# Altium PCB Terra.PcbDoc (part 3 of 7) (continued)
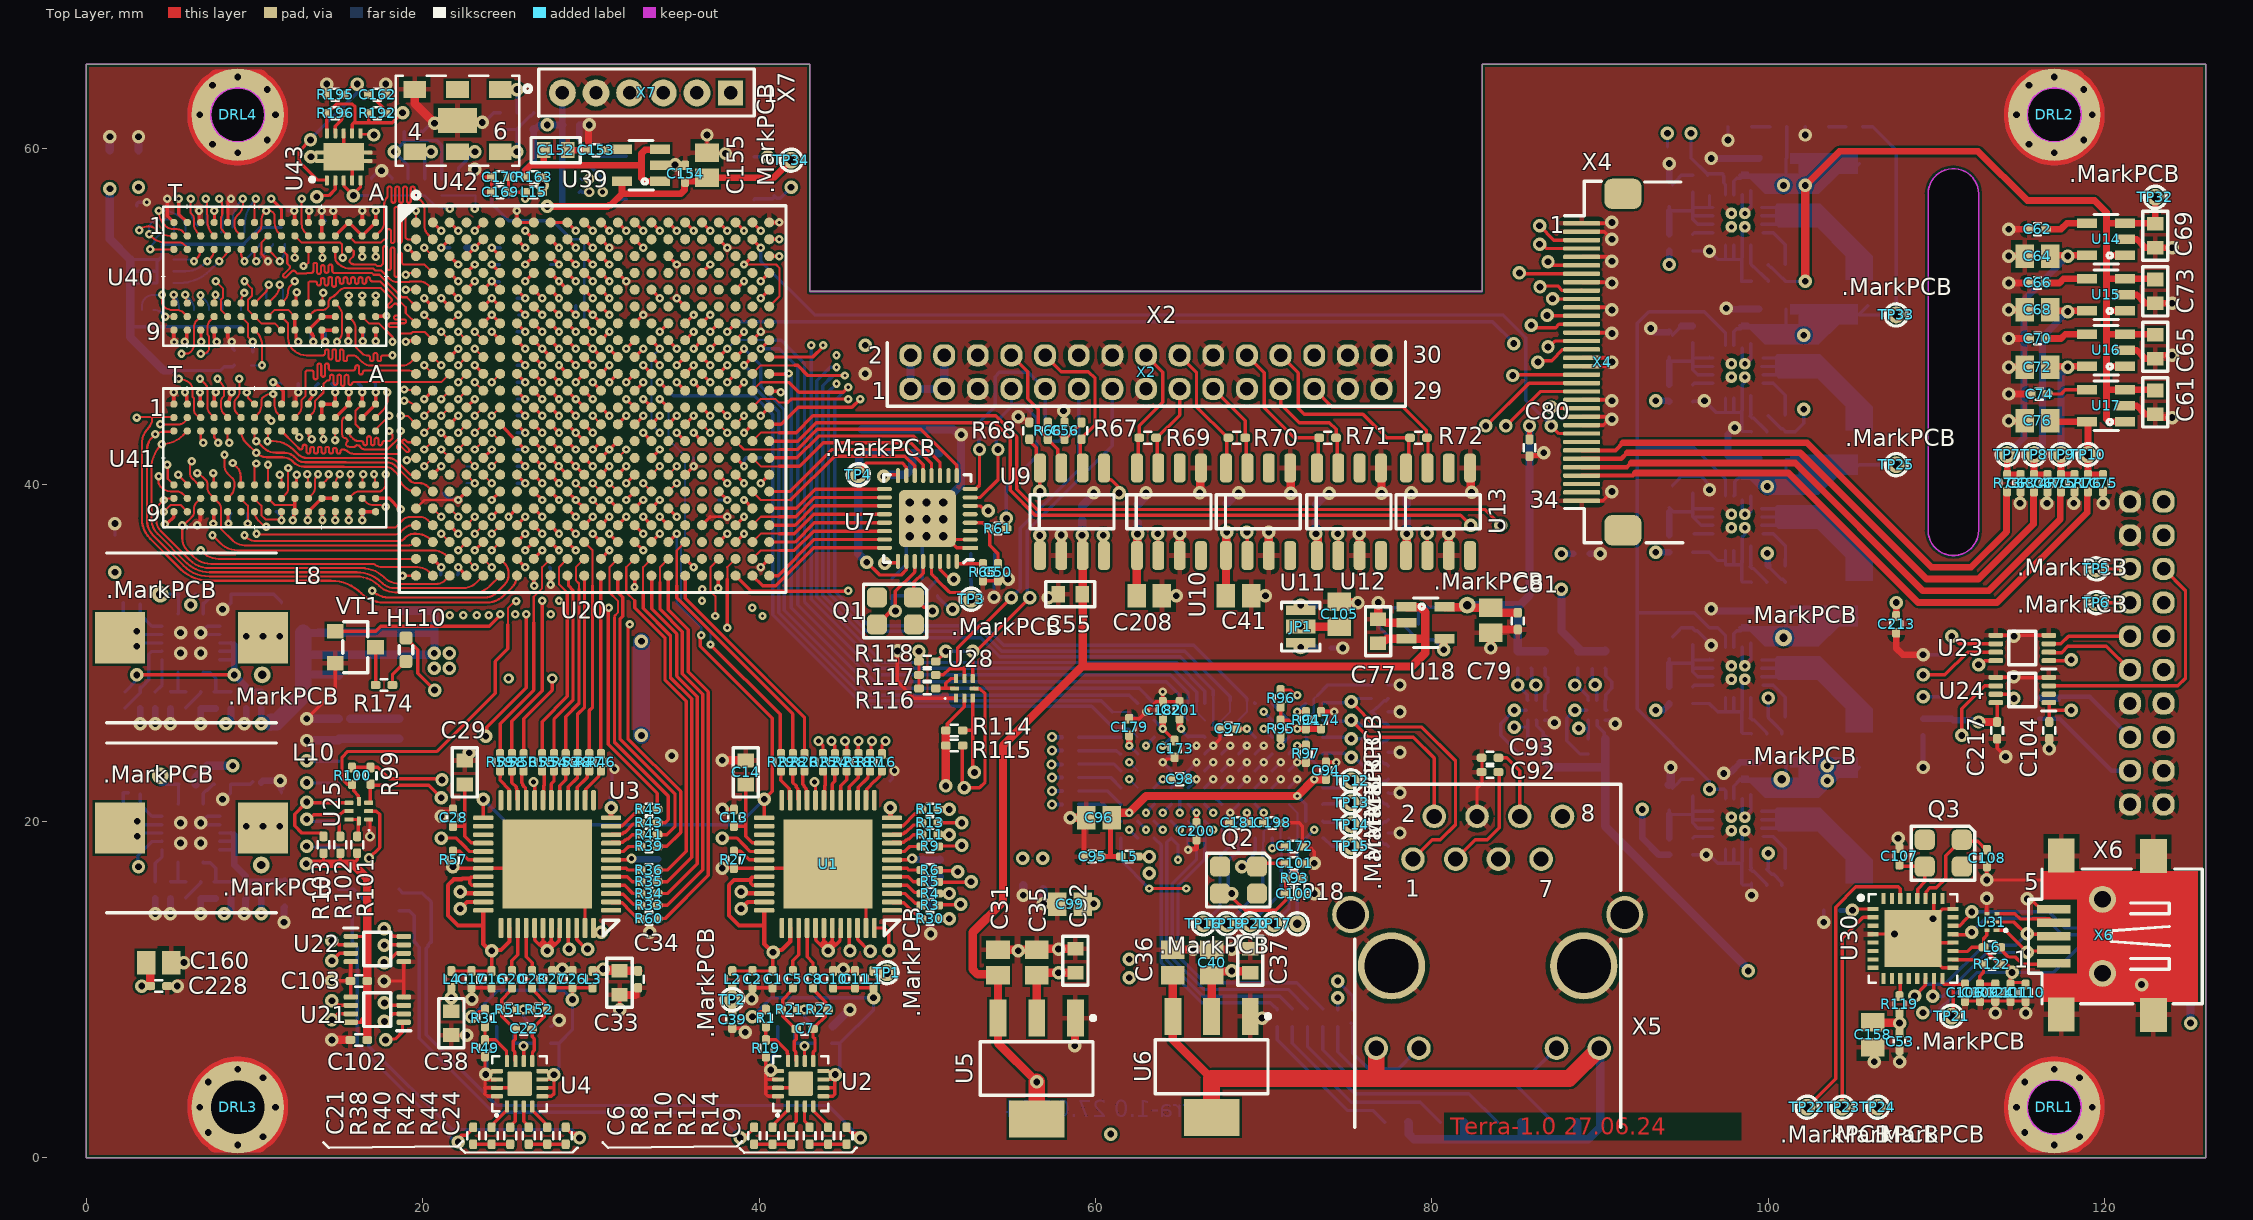
[diagram p0: Top Layer view]
## Nets (pads, with @x,y where several pads share a name; then routed paths per layer and width w, separated by ;. In a path a pad name is that pad's centre, name@x,y a point inside that pad or via, vN(x,y) a via of type N, cw(c..) or ccw(c..) an arc to the next point about the centre after c; other vN are vias at no path point) (continued)
ADC1_CLK_P: U3.34 U20.V10 | length 28.1
  Top Layer w0.2: U20.V10@28.6,38.6 v3(29.1,38.1)
  Top Layer w0.254: v2(22.225,15.8) 22.312,15.713 23.587,15.713 U3.34@23.6,15.7
  Int4(Sign) w0.125: v2(22.225,15.8) 22.713,15.8 ccw(c22.713,15.925) 22.801,15.837 28.356,21.392 ccw(c26.56,23.188) 29.1,23.188 29.1,35.546 ccw(c28.975,35.546) 29.003,35.668 cw(c29.1,36.1) 28.799,36.424 cw(c29.1,36.1) 28.891,36.49 ccw(c28.832,36.6) 28.891,36.71 cw(c29.1,37.1) 28.773,36.802 cw(c29.1,37.1) 29.003,37.532 ccw(c28.975,37.654) 29.1,37.654 v3(29.1,38.1)
ADC1_CSn: U3.48 U20.Y12 | length 25.5
  Top Layer w0.2: v1(30.1,37.1) U20.Y12@30.6,36.6 ; U3.48@30.15,13.65 30.15,13.367 30.19,13.327 30.527,13.327 v2(30.6,13.4)
  Int1 (Sign) w0.2: v1(30.1,37.1) 30.1,13.9 v2(30.6,13.4)
  Bottom Layer w0.2: v2(30.6,13.4) 30.65,13.4 v2@30.675,13.425
ADC1_D0: R33.2 U20.AA16 | length 23.3
  Top Layer w0.125: 34.107,34.2 34.107,35.107 U20.AA16@34.6,35.6
  Top Layer w0.2: R33.2@33.95,15 34.54,15 36.65,17.11 36.65,27.55 35.43,28.77 35.43,31.27 34.107,32.593 34.107,34.2
ADC1_D1: R34.2 U20.AB15 | length 21.4
  Top Layer w0.2: U20.AB15@33.6,34.6 33.613,34.587 33.613,32.62 35.1,31.133 35.1,28.633 36.32,27.413 36.32,17.48 34.54,15.7 R34.2@33.95,15.7
ADC1_D2: R35.2 U20.AA15 | length 21.8
  Top Layer w0.125: 33.1,33.5 33.1,35.1 U20.AA15@33.6,35.6
  Top Layer w0.2: 33.1,33.5 33.1,32.667 34.73,31.037 34.73,28.537 35.99,27.277 35.99,17.85 34.54,16.4 R35.2@33.95,16.4
ADC1_D3: R36.2 U20.AA14 | length 21.2
  Top Layer w0.125: 32.6,33.1 32.1,33.6 32.1,35.1 U20.AA14@32.6,35.6
  Top Layer w0.2: 32.6,33.1 32.6,32.7 34.4,30.9 34.4,28.4 35.66,27.14 35.66,18.22 34.54,17.1 R36.2@33.95,17.1
ADC1_D4: R39.2 U20.V13 | length 24.6
  Top Layer w0.2: v1(31.1,39.1) U20.V13@31.6,38.6 ; v1(32.305,31.7) 32.2,31.524 32.2,24.9 35.33,21.77 35.33,19.33 34.517,18.517 33.967,18.517 R39.2@33.95,18.5
  Int1 (Sign) w0.125: v1(31.1,39.1) 30.883,38.883 ccw(c31.566,38.2) 30.881,38.881 ccw(c31.566,38.2) 30.6,38.2 30.6,38.075 ccw(c31.143,38.075) 30.759,37.691 30.789,37.661 ccw(c31.075,37.947) 31.075,37.543 31.175,37.543 cw(c31.175,36.921) 31.615,37.36 cw(c30.684,36.43) 32,36.43 32,31.961 32.173,31.787 v1(32.305,31.7)
ADC1_D5: R41.2 U20.AB13 | length 17.7
  Top Layer w0.2: U20.AB13@31.6,34.6 31.6,33.6 31.892,33.308 31.892,32.192 31.73,32.03 31.73,24.87 35,21.6 35,19.7 34.5,19.2 R41.2@33.95,19.2
ADC1_D6: R43.2 U20.AA13 | length 18.1
  Top Layer w0.125: 31.4,32.114 31.4,32.2 31.6,32.4 31.6,33.1 31.1,33.6 31.1,35.1 U20.AA13@31.6,35.6
  Top Layer w0.2: 31.4,32.114 31.4,24.7 34.6,21.5 34.6,20.1 34.417,19.917 33.967,19.917 R43.2@33.95,19.9
ADC1_D7: R45.2 U20.Y13 | length 18.7
  Top Layer w0.2: v1(31.057,32.7) 31.02,32.662 31.02,24.58 33.95,21.65 R45.2@33.95,20.7 ; v1(31.1,37.1) U20.Y13@31.6,36.6
  Int1 (Sign) w0.125: 30.824,36.824 ccw(c31.61,36.04) 30.5,36.04 30.5,34.046 ccw(c32.403,34.046) 30.841,32.959 ccw(c32.403,34.046) v1(31.057,32.7) ; 30.825,36.825 v1(31.1,37.1)
ADC1_D8: R46.2 U20.AB12 | length 10.6
  Top Layer w0.2: U20.AB12@30.575,34.575 30.575,24.025 R46.2@30.6,24
ADC1_D9: R47.2 U20.Y11 | length 12.9
  Top Layer w0.125: U20.Y11@29.6,36.6 30.1,36.1 30.1,34.007 30.093,34
  Top Layer w0.2: R47.2@29.9,24 29.9,26.583 30.093,26.777 30.093,34
ADC1_D10: R48.2 U20.AB11 | length 10.8
  Top Layer w0.2: R48.2@29.2,23.964 29.2,26.35 29.62,26.77 29.62,34.58 U20.AB11@29.6,34.6
ADC1_D11: R53.2 U20.AA11 | length 12.2
  Top Layer w0.125: 29.29,33.8 29.29,34.138 29.1,34.327 29.1,35.1 U20.AA11@29.6,35.6
  Top Layer w0.2: R53.2@28.5,24 28.5,26.225 29.29,27.015 29.29,33.8
ADC1_D12: R54.2 U20.AB10 | length 11.2
  Top Layer w0.2: R54.2@27.8,24.027 27.8,26.05 28.93,27.18 28.93,33.737 28.667,34 28.667,34.533 U20.AB10@28.6,34.6
ADC1_D13: R55.2 U20.AA10 | length 12.6
  Top Layer w0.125: 28.6,33.6 28.1,34.1 28.1,35.1 U20.AA10@28.6,35.6
  Top Layer w0.2: R55.2@27.1,23.986 27.1,25.925 28.6,27.425 28.6,33.6
ADC1_D14: R56.2 U20.K14 | length 27.1
  Top Layer w0.2: R56.2@26,24 26,26.1 27.7,27.8 v6(27.7,28.48) ; v1(32.1,46.1) U20.K14@32.6,46.6
  Int4(Sign) w0.125: 28.6,34.8 27.812,35.588 cw(c28.326,36.101) 27.6,36.101 27.6,36.925 cw(c28.505,36.925) 27.865,37.565 28.9,38.6 30.234,38.6 ccw(c30.234,38.941) 30.475,38.7 ccw(c30.036,39.139) 30.645,39.019 ccw(c30.036,39.139) 30.657,39.139 30.657,39.307 cw(c31.018,39.307) 30.763,39.563 ; 30.763,39.563 cw(c30.943,39.382) 30.943,39.637 31.157,39.637 ccw(c31.157,40.138) 31.511,39.784 ccw(c31.003,40.097) 31.59,39.99 ccw(c31.003,40.097) 31.6,40.097 31.6,44.893 cw(c33.307,44.893) v1(32.1,46.1)
  Int4(Sign) w0.2: v6(27.7,28.48) 27.7,29.5 28.6,30.4 28.6,34.8
ADC1_D15: R58.2 U20.K13 | length 26.7
  Top Layer w0.2: R58.2@25.3,24 25.3,25.95 27.1,27.75 v1(27.1,33.1) ; v1(31.1,46.1) U20.K13@31.6,46.6
  Int4(Sign) w0.125: v1(27.1,33.1) 27.1,34.975 ccw(c26.242,34.975) 26.849,35.582 26.807,35.623 cw(c27.234,36.05) 26.63,36.05 26.63,37.261 cw(c27.039,37.261) 26.636,37.331 cw(c27.039,37.261) 26.75,37.55 cw(c27.01,37.29) 27.01,37.657 27.275,37.657 ccw(c27.275,38.34) 27.757,37.857 28.423,38.523 ccw(c27.996,38.95) 28.6,38.95 28.6,39.319 cw(c28.856,39.319) 28.6,39.325 cw(c28.856,39.319) 28.675,39.5 cw(c28.916,39.259) 28.9,39.6 cw(c28.916,39.259) 28.916,39.6 30.241,39.6 ccw(c30.241,39.984) 30.512,39.712 ; 30.513,39.713 ccw(c30.3,39.924) 30.6,39.924 30.6,44.893 cw(c32.307,44.893) v1(31.1,46.1)
ADC1_DCO: R60.2 U20.AB16 | length 22.9
  Top Layer w0.2: R60.2@33.95,14.2 33.967,14.217 34.417,14.217 36.98,16.78 36.98,27.687 35.79,28.877 35.79,31.377 34.6,32.567 U20.AB16@34.6,34.6
ADC1_OR: R59.2 U20.AA9 | length 12.8
  Top Layer w0.125: 26.6,31.8 26.6,32.074 26.6,33.354 27.1,33.854 27.1,35.1 U20.AA9@27.6,35.6
  Top Layer w0.2: R59.2@24.6,24 24.6,25.8 26.6,27.8 26.6,31.8
ADC_HV_EN: U22.3 X1.15 | length 16.5
  Top Layer w0.2: v2(14.6,11.7) 15.05,12.15 U22.3@15.725,12.15
  Int1 (Sign) w0.2: v2(13.1,23.6) 13.215,23.485 13.515,23.485 14.4,22.6 14.4,15.1 15.3,14.2 15.3,12.4 v2(14.6,11.7)
  Bottom Layer w0.2: v2@13.13,23.57 X1.15@15,23.57
ADC_INT: U21.6 X1.7 | length 13.2
  Top Layer w0.2: v2(14.6,9.32) 14.742,9.32 15.012,9.05 U21.6@15.725,9.05
  Int1 (Sign) w0.2: v2(13.091,18.509) 13.009,18.509 12.3,17.8 12.3,16.9 13.5,15.7 13.5,10.4 14.272,9.628
  Bottom Layer w0.2: v2(13.091,18.509) 13.13,18.47 X1.7@15,18.47
ADC_LDAC: U22.2 X1.13 | length 13.1
  Top Layer w0.2: v2(14.6,12.9) 14.75,12.9 15,12.65 U22.2@15.725,12.65
  Int1 (Sign) w0.2: v2(13.1,22.3) 14,21.4 14,13.5 v2(14.6,12.9)
  Bottom Layer w0.2: v2@13.13,22.27 X1.13@15,22.27
ADC_PWR: U1.25 U3.25 U20.Y16 | length 39.2
  Top Layer w0.2: U3.25@23.6,20.2 v2(23.6,21.3) ; U20.Y16@34.6,36.6 v1(35.1,37.1) ; v1(36.556,31.056) 36.5,31 36.5,30.4 40.775,26.125 40.775,21.775 v2(40.3,21.3) U1.25@40.3,20.2
  Bottom Layer w0.125: v1(35.1,37.1) 35.1,32.975 36.556,31.519 v1(36.556,31.056)
  Bottom Layer w0.2: v2(23.6,21.3) 25.1,19.8 38.8,19.8 v2(40.3,21.3)
ADC_RESn: U1.45 U3.45 U20.T14 | length 54.7
  Top Layer w0.2: U3.45@28.65,13.65 28.65,12.45 v2(28.7,12.4) ; v1(32.1,40.1) U20.T14@32.6,40.6 ; U1.45@45.35,13.65 45.35,12.45 45.3,12.4 v2(45.4,12.3)
  Int1 (Sign) w0.125: 31.862,37.638 cw(c32.496,38.271) 31.6,38.271 31.6,39.225 cw(c32.505,39.225) 31.865,39.865 ; 31.862,37.637 31.987,37.513 cw(c31.233,36.758) 32.246,37.095 cw(c31.233,36.758) 32.3,36.758 32.3,35.293 ccw(c33.393,35.293) 32.62,34.52 33.78,33.36 33.78,33.3 ; 31.865,39.865 v1(32.1,40.1)
  Int1 (Sign) w0.2: 33.78,33.3 33.78,29.52 45.4,17.9 v2(45.4,12.3)
  Int4(Sign) w0.2: v2(28.7,12.4) 29.4,11.7 30.2,11.7 30.6,12.1 38.767,12.1 39.597,12.93 44.77,12.93 v2(45.4,12.3)
ADC_SDIO: U1.46 U3.46 U20.M15 | length 60.4
  Top Layer w0.2: U3.46@29.15,13.65 29.15,12.968 29.718,12.4 v2(29.8,12.4) ; v1@33.133,45.1 U20.M15@33.6,44.633 ; U1.46@45.85,13.65 45.85,12.968 46.538,12.28 v2(46.6,12.28)
  Int1 (Sign) w0.125: 32.892,44.892 ccw(c33.46,44.325) 32.658,44.325 32.658,43.283 32.657,42.904 ccw(c33.106,42.904) 32.714,42.685 ccw(c33.106,42.904) 32.789,42.586 cw(c32.278,42.278) 32.875,42.278 32.875,41.073 cw(c32.277,41.073) 32.7,40.65 ccw(c32.941,40.409) 32.6,40.409 32.6,35.343 ccw(c33.668,35.343) 32.912,34.589 ; 32.893,44.893 v1(33.1,45.1) ; 32.913,34.588 34.11,33.391 34.11,33.2
  Int1 (Sign) w0.2: 34.11,33.2 34.11,29.69 46.6,17.2 v2(46.6,12.28)
  Int4(Sign) w0.2: v2(29.8,12.4) 29.83,12.43 38.63,12.43 39.5,13.3 45.58,13.3 v2(46.6,12.28)
BiSS0_ZPNT: U21.7 X2.26 | length 108.3
  Top Layer w0.2: v2(14.6,8.2) 14.95,8.55 U21.7@15.725,8.55
  Int1 (Sign) w0.2: v2(60.9,1.4) 60.9,1.562 61.3,1.962 61.3,15 v2(63.2,16.9)
  Int4(Sign) w0.2: v2(14.6,8.2) 20.9,1.9 60.4,1.9 v2(60.9,1.4) ; v2(63.2,16.9) 66.3,16.9 68.35,18.95 73.228,18.95 73.6,19.322 73.6,33.7 72.3,35 72.3,39 74,40.7 74,46.7 X2.26@73,47.7
CAM_1.2V: R76.1 X4.31 | length 36.8
  Top Layer w0.25: X4.31@88.9,40.55 91.95,40.55 92.1,40.7
  Top Layer w0.4: 92.1,40.7 101.2,40.7 108.9,33 113.6,33 118.96,38.36 118.96,39.56 R76.1@119,39.6
CAM_EN: U20.G20 VD1.2 | length 66.4
  Top Layer w0.2: v1(38.1,49.1) U20.G20@38.6,49.6
  Int1 (Sign) w0.2: v2(84.86,48.4) 86,48.4 86.8,49.2 87.4,49.2 88.9,50.7 88.9,55.8 v2(94,60.9)
  Bottom Layer w0.2: v1(38.1,49.1) 38.7,49.7 83.6,49.7 84.86,48.44 v2(84.86,48.4) ; VD1.2@94,60.1 v2(94,60.9)
CAM_MC_N: U20.D22 X4.10 | length 53.5
  Top Layer w0.2: v3(40.1,52.1) U20.D22@40.6,52.6 ; v2@86.882,51.2 87.012,51.07 v2(87.17,51.07) 87.298,51.07 87.317,51.05 X4.10@88.9,51.05
  Int1 (Sign) w0.2: v3(40.1,52.1) 39.5,51.5 39.5,50.922 40.372,50.05 41.05,50.05 42,49.1 84.351,49.1 86.251,51 87.1,51 v2(87.17,51.07)
CAM_MC_P: U20.E22 X4.9 | length 51.2
  Top Layer w0.2: v1(40.1,51.1) U20.E22@40.6,51.6 ; v2@86.481,51.823 87.473,51.823 87.743,51.553 X4.9@88.897,51.553
  Top Layer w0.254: v2(86.424,51.766) v2@86.481,51.823 ; X4.9@88.897,51.553 X4.9@88.9,51.55
  Int1 (Sign) w0.2: v1(40.1,51.1) 40.75,50.45 41.216,50.45 42.166,49.5 84.157,49.5 v2@86.417,51.76 ; v2@86.418,51.76 v2(86.424,51.766)
CAM_MCLK: U20.A20 X4.23 | length 57.5
  Top Layer w0.2: U20.A20@38.6,55.6 v1(39.1,55.1) ; v2(87.1,44.6) 87.15,44.55 X4.23@88.9,44.55
  Int4(Sign) w0.2: v1(39.1,55.1) 39.1,54 38.55,53.45 38.55,51.872 39.922,50.5 40.666,50.5 42.066,49.1 81.182,49.1 85.67,44.612 87.088,44.612 v2(87.1,44.6)
CAM_MD0_N: U20.B22 X4.7 | length 53.3
  Top Layer w0.2: U20.B22@40.6,54.6 v1(41.2,54.6) ; v2(85.2,52.6) 85.25,52.55 X4.7@88.9,52.55
  Int1 (Sign) w0.2: v1(41.2,54.6) 41.8,54 41.8,50.997 42.497,50.3 83.706,50.3 85.111,51.705 85.111,52.511 v2(85.2,52.6)
CAM_MD0_P: U20.C22 X4.6 | length 53.1
  Top Layer w0.2: U20.C22@40.6,53.6 40.721,53.721 40.842,53.6 v1(41.2,53.6) ; v2(86.9,53.27) 86.97,53.27 87.19,53.05 X4.6@88.9,53.05
  Int1 (Sign) w0.2: v1(41.2,53.6) 41.2,51.031 42.331,49.9 83.9,49.9 85.7,51.7 85.7,52.07 v2(86.9,53.27)
CAM_MD1_N: U20.A14 X4.13 | length 63
  Top Layer w0.2: U20.A14@32.6,55.6 v1(33.1,55.1) ; v2(85.909,49.491) 86.05,49.35 87.35,49.35 87.55,49.55 X4.13@88.9,49.55
  Int4(Sign) w0.2: v1(33.1,55.1) 34.6,56.6 41.644,56.6 42.25,55.993 42.25,54.207 ; 42.249,54.206 42.249,51.179 42.728,50.7 84.7,50.7 v2(85.909,49.491)
CAM_MD1_P: U20.A13 X4.12 | length 64
  Top Layer w0.2: U20.A13@31.6,55.6 v3(32.1,55.1) ; v2(86.842,50.07) 86.861,50.052 88.898,50.052 X4.12@88.9,50.05
  Int4(Sign) w0.2: v3(32.1,55.1) 34,57 41.809,57 42.65,56.159 42.65,54.041 ; 42.649,54.04 42.649,51.354 42.874,51.129 85.671,51.129 86.73,50.07 v2(86.842,50.07)
CAM_MD2_N: U20.A19 X4.4 | length 59.1
  Top Layer w0.2: U20.A19@37.6,55.6 v1(38.1,55.1) ; v2(86.4,54.3) 86.562,54.3 86.812,54.05 X4.4@88.9,54.05
  Int1 (Sign) w0.2: v1(38.1,55.1) 39.15,56.15 41.528,56.15 42.2,55.478 42.2,51.163 42.663,50.7 83.512,50.7 84.4,51.588 84.4,52.918 85.782,54.3 v2(86.4,54.3)
CAM_MD2_P: U20.A18 X4.3 | length 60.8
  Top Layer w0.2: U20.A18@36.6,55.6 v1(37.1,55.1) ; v2(86.4,55.4) 87.25,54.55 X4.3@88.9,54.55
  Int1 (Sign) w0.2: v1(37.1,55.1) 38.55,56.55 41.694,56.55 42.6,55.644 42.6,51.375 42.846,51.129 83.347,51.129 83.98,51.762 83.98,53.092 86.288,55.4 v2(86.4,55.4)
CAM_MD3_N: U20.A16 X4.16 | length 60.8
  Top Layer w0.2: U20.A16@34.6,55.6 v1(35.1,55.1) ; v2(86.3,47.3) 86.52,47.3 86.6,47.38 87.114,47.38 87.784,48.05 X4.16@88.9,48.05
  Int4(Sign) w0.2: v1(35.1,55.1) 35.8,55.8 40.2,55.8 40.65,55.35 40.65,53.15 41.3,52.5 41.3,50.997 42.397,49.9 82.3,49.9 84.9,47.3 v2(86.3,47.3)
CAM_MD3_P: U20.A15 X4.15 | length 62.4
  Top Layer w0.2: U20.A15@33.6,55.6 v1(34.1,55.1) ; v2(86.9,48.2) 86.9,48.262 86.862,48.3 87.062,48.3 87.312,48.55 X4.15@88.9,48.55 X4.15@88.875,48.575
  Int4(Sign) w0.2: v1(34.1,55.1) 35.2,56.2 41.478,56.2 41.85,55.828 41.85,54.372 ; 41.849,54.371 41.849,51.014 42.563,50.3 84.081,50.3 86.182,48.2 v2(86.9,48.2)
CAM_RES: U20.B21 X4.26 | length 56.8
  Top Layer w0.2: U20.B21@39.6,54.6 v1(40.1,54.1) ; v2@87,43.4 87.2,43.4 87.55,43.05 X4.26@88.9,43.05
  Bottom Layer w0.2: v1(40.1,54.1) 40.1,53.3 43.3,50.1 84.218,50.1 85.58,48.738 85.58,45.02 v2(87.1,43.5)
DDR3_A0: R166.1 U20.W1 U40.N3 U41.N3 | length 31.8
  Top Layer w0.125: v1(10.115,37.1) 10.17,37.045 18.326,37.045 ccw(c18.326,37.574) 18.7,37.2 18.9,37.4 cw(c19.383,36.917) 19.383,37.6 U20.W1@19.6,37.6
  Top Layer w0.13: v1(7.2,53.3) 7.388,53.488 ccw(c6.876,54) 7.391,53.491 ccw(c6.876,54) U40.N3@7.6,54 ; U41.N3@7.6,43.2 7.6,42.81 7.83,42.58 7.83,42.505 v1(7.83,42.5)
  Int4(Sign) w0.13: v1(7.2,53.3) 8.159,52.341 cw(c7.817,52) 8.2,52.294 cw(c7.817,52) 8.3,52 8.3,50.983 ccw(c8.983,50.983) 8.5,50.5 8.909,50.091 cw(c8.217,49.4) 9.195,49.4 9.195,48.229 cw(c8.871,48.229) 9.1,48 8.661,47.561 ccw(c9.322,46.9) 8.387,46.9 8.387,46.146 cw(c8.004,46.146) 8.275,45.875 ccw(c8.456,45.694) 8.2,45.694 8.2,43.392 cw(c6.938,43.392) v1(7.83,42.5) ; v1(7.83,42.5) 7.827,42.497 7.755,42.425 7.755,41.933 ccw(c8.933,41.933) 8.1,41.1 8.227,40.973 cw(c7.556,40.301) 8.492,40.462 cw(c7.556,40.301) 8.5,40.405 ; 8.506,40.301 ccw(c7.556,40.301) 8.5,40.405 ; 8.753,39.79 9.721,38.821 cw(c8.772,37.872) 10.115,37.872 v1(10.115,37.1) ; 8.752,39.79 cw(c9.363,40.4) 8.5,40.4 ccw(c8.259,40.4) 8.5,40.405
  Bottom Layer w0.13: R166.1@5.2,52.7 5.893,52.7 ccw(c5.893,54.407) v1@7.099,53.199 ; v1@7.1,53.2 v1(7.2,53.3)
DDR3_A1: R167.1 U20.AA3 U40.P7 U41.P7 | length 34.7
  Top Layer w0.12: v1(7.5,37) 7.959,36.541 ccw(c9,37.583) 9,36.11 20.6,36.11 cw(c20.6,34.927) 21.437,35.763 U20.AA3@21.6,35.6
  Top Layer w0.125: v1(6.27,41.4) 6.157,41.287 6.157,40.857 ccw(c6.957,40.857) 6.161,40.781 cw(c6.037,40.769) 6.161,40.754 ccw(c6.6,40.7) 6.343,40.34 cw(c6.27,40.238) 6.345,40.338 cw(c6.27,40.238) 6.363,40.322 ccw(c6.957,40.857) 6.391,40.292 ; 6.392,40.292 6.601,40.083 ccw(c6.8,40.282) U41.P7@6.8,40 ccw(c6.8,40.282) U41.P7@6.8,40
  Top Layer w0.13: U40.P7@6.789,50.771 6.794,50.776 6.794,51.264 v1(6.788,51.27)
  Int4(Sign) w0.125: 4.6,44.9 5.432,44.068 cw(c4.664,43.3) 5.75,43.3 5.75,42.5 ccw(c6.112,42.5) 5.856,42.244 6.004,42.096 cw(c5.303,41.395) v1@6.295,41.395 ; 4.6,44.9 cw(c5.324,45.624) 4.3,45.624 4.3,46.4 cw(c4.886,46.4) 4.472,46.815 4.679,47.021 cw(c5.39,46.31) 5.39,47.316 5.659,47.316 ccw(c5.659,48.041) 6.171,47.529 6.221,47.579 ; 6.222,47.579 ccw(c5.893,47.907) 6.358,47.907 6.358,50.3 cw(c7.662,50.3) v1@6.739,51.221 ; v1(6.27,41.4) ccw(c6.542,41.128) 6.157,41.128 6.157,40.6 ccw(c7.745,40.6) 6.16,40.514 ccw(c7.745,40.6) 6.171,40.396 ccw(c7.539,40.396) 6.571,39.429 6.897,39.103 ; v1@6.739,51.222 v1(6.788,51.27) ; 6.9,39.1 6.897,39.103 ; v1(7.5,37) 7.312,37.188 cw(c7.824,37.7) 7.141,37.459 cw(c7.824,37.7) 7.1,37.7 7.1,38.3 ccw(c5.41,38.3) 6.897,39.103
  Bottom Layer w0.125: v1(6.788,51.27) 7.047,51.011 cw(c6.436,50.4) 7.298,50.452 cw(c6.436,50.4) R167.1@7.3,50.4
DDR3_A2: R168.1 U20.Y2 U40.P3 U41.P3 | length 32.5
  Top Layer w0.13: v1(6.4,53.3) 6.588,53.488 ; 6.588,53.488 ccw(c6.076,54) 6.781,53.837 ccw(c6.076,54) U40.P3@6.8,54 ; v1@6.8,42.7 U41.P3@6.8,43.2 ; v1(9.4,37) v1@9.494,36.906 ; v1@9.495,36.905 ccw(c10.1,37.512) 10.1,36.655 18.55,36.655 ccw(c18.55,37.15) 18.555,36.655 ccw(c18.55,37.15) 18.9,36.8 18.979,36.879 cw(c19.5,36.359) 19.5,37.095 19.6,37.095 cw(c19.6,35.876) U20.Y2@20.462,36.738 ; U20.Y2@20.462,36.738 U20.Y2@20.6,36.6
  Int4(Sign) w0.13: v1(6.4,53.3) 6.761,52.939 cw(c5.621,51.8) 6.772,52.928 cw(c5.621,51.8) 7.233,51.8 7.233,49.227 ccw(c7.412,49.227) 7.285,49.1 7.285,47.8 cw(c6.525,47.8) 7.239,47.539 cw(c6.525,47.8) 7.062,47.262 6.529,46.729 ccw(c7.058,46.2) 6.43,46.606 cw(c6.321,46.677) 6.419,46.592 ccw(c6.755,46.3) 6.31,46.3 ccw(c6.755,46.3) 6.311,46.265 cw(c6.182,46.255) 6.311,46.247 ccw(c7.058,46.2) 6.31,46.2 6.31,44.9 ccw(c7.541,44.9) 6.671,44.029 6.7,44 cw(c6.121,43.421) 6.94,43.421 v1(6.94,42.5) 7.055,42.385 7.055,40.533 ccw(c8.233,40.533) 7.062,40.409 ccw(c8.233,40.533) 7.4,39.7 7.584,39.516 cw(c6.569,38.5) 8.005,38.5 8.005,37.516 8.521,37 v1(9.4,37)
  Bottom Layer w0.13: R168.1@5.2,53.4 v1@6.2,53.4
DDR3_A3: R169.1 U20.Y4 U40.N2 U41.N2 | length 42.2
  Top Layer w0.12: v1(6.755,46.3) 7.09,45.965 cw(c6.826,45.7) 7.2,45.7 7.2,44.6 ccw(c7.683,44.6) 7.341,44.259 U41.N2@7.6,44 ; v1(7.1,57) 7.16,56.94 7.16,56.1 cw(c7.063,56.003) 7.2,56.003 7.2,55.766 ccw(c8.566,55.766) 7.202,55.693 cw(c7.082,55.687) 7.202,55.675 ccw(c7.558,55.642) 7.2,55.642 7.2,55.558 ccw(c7.558,55.558) 7.216,55.451 cw(c7.102,55.415) 7.22,55.438 ccw(c8.267,55.642) 7.505,54.896 ccw(c8.267,55.642) 7.513,54.887 U40.N2@7.6,54.8
  Top Layer w0.125: v3(22.1,36.1) U20.Y4@22.6,36.6
  Int1 (Sign) w0.12: v1(6.755,46.3) 7.02,46.035 cw(c6.584,45.6) 7.2,45.6 7.2,45.288 cw(c5.237,45.288) 6.872,44.202 ccw(c7.951,43.123) 6.659,43.935 ccw(c7.951,43.123) 6.425,43.123 6.425,42.829 ccw(c8.004,42.829) 6.564,42.181 ccw(c8.004,42.829) 6.766,41.848 6.913,41.702 ; v1@6.8,46.3 ccw(c5.545,47.555) 7.32,47.555 7.32,48.021 7.315,48.026 7.315,51.015 ccw(c7.195,51.016) 7.298,51.077 cw(c7.678,51.3) 7.244,51.228 ccw(c7.125,51.208) 7.228,51.27 ccw(c6.788,51.27) 7.179,51.471 cw(c7.286,51.525) 7.171,51.491 ccw(c5.846,51.1) 6.823,52.077 6.1,52.8 cw(c6.438,53.138) 5.973,53.027 cw(c6.438,53.138) 5.96,53.138 5.96,54.3 cw(c6.941,54.3) 6.247,54.994 6.977,55.723 ccw(c6.583,56.117) 7.14,56.117 7.14,56.96 v1(7.1,57) ; 6.983,41.641 cw(c7.4,42.188) 6.913,41.702 ; 7.2,41.55 cw(c7.2,41.876) 7.145,41.555 ; 11.125,37.75 ccw(c10.662,37.75) 10.989,38.077 10.818,38.249 ccw(c10.375,37.676) 10.375,38.4 cw(c10.375,38.943) 9.991,38.559 8.206,40.344 cw(c8.462,40.6) 8.108,40.524 cw(c8.462,40.6) 8.101,40.579 ccw(c7.268,40.437) 7.865,41.035 7.497,41.403 ccw(c7.131,41.037) 7.36,41.501 ccw(c7.131,41.037) 7.212,41.548 ccw(c7.131,41.037) 7.145,41.555 ; 11.125,37.8 ccw(c11.952,37.8) 11.367,37.215 11.839,36.744 ccw(c13.5,38.624) 13.5,36.115 22.085,36.115 v3(22.1,36.1) ; 6.913,41.702 6.969,41.646 ccw(c7.2,41.876) 7.118,41.561 ccw(c7.2,41.876) 7.145,41.555
  Bottom Layer w0.12: v1(7.1,57) 7.14,56.96 7.14,55.686 ccw(c7.686,55.686) R169.1@7.3,55.3
DDR3_A4: R170.1 U20.AB2 U40.P8 U41.P8 | length 33.4
  Top Layer w0.12: v1(5.657,47.8) 5.958,47.8 ccw(c5.958,48.142) 6.2,47.9 ccw(c5.717,48.383) 6.4,48.383 6.4,49.4 cw(c6.883,49.4) 6.541,49.741 U40.P8@6.8,50 ; v1@5.89,37.7 6.265,38.075 ; 6.266,38.075 ccw(c5.941,38.4) 6.278,38.088 cw(c6.366,38.006) 6.284,38.094 ccw(c6.042,38.358) 6.295,38.104 ccw(c6.042,38.358) 6.296,38.105 ccw(c6.042,38.358) 6.4,38.358 6.4,38.6 cw(c6.883,38.6) 6.541,38.941 U41.P8@6.8,39.2 ; 8.095,35.305 16.995,35.305 cw(c16.995,35.001) 17.139,35.269 cw(c16.995,35.001) 17.21,35.216 ccw(c17.571,35.776) 17.571,35.11 19.7,35.11 cw(c19.7,34.168) 20.366,34.834 U20.AB2@20.6,34.6
  Top Layer w0.125: v1(5.7,37.6) 5.7,36.824 ccw(c6.724,36.824) 6,36.1 6.367,35.733 ccw(c7.4,36.766) 7.4,35.305 8.095,35.305
  Int4(Sign) w0.12: 5.071,44.029 4.2,44.9 cw(c4.81,45.51) 3.947,45.51 3.947,46.543 cw(c4.2,46.543) 3.952,46.591 ccw(c3.834,46.613) 3.953,46.599 cw(c4.786,46.5) 3.982,46.739 cw(c4.786,46.5) 4.193,47.093 4.7,47.6 cw(c5.183,47.117) 5.024,47.781 cw(c5.183,47.117) 5.183,47.8 v1(5.657,47.8) ; 5.072,44.028 cw(c4.043,43) 5.497,43 5.497,41.684 ccw(c6.364,41.684) 5.751,41.071 ; v1(5.7,37.6) ccw(c5.205,38.095) 5.701,37.601 ccw(c5.205,38.095) 5.905,38.095 5.905,40.412 5.905,40.7 ccw(c5.381,40.7) 5.752,41.07
DDR3_A5: R171.1 U20.AB1 U40.P2 U41.P2 | length 43.9
  Top Layer w0.12: v1(5.5,46.3) cw(c5.5,45.334) 5.717,46.275 cw(c5.5,45.334) 6.183,46.017 cw(c5.864,45.698) 6.315,45.698 6.315,45.235 6.4,45.15 6.4,44.441 ccw(c6.741,44.441) 6.5,44.2 6.629,44.071 ccw(c6.8,44.241) U41.P2@6.8,44 U41.P2@6.683,44.117 ; v1(6.2,57) 6.2,56.214 ccw(c6.337,56.214) 6.24,56.118 6.288,56.069 cw(c6.019,55.8) 6.4,55.8 6.4,55.5 ccw(c7.124,55.5) 6.608,54.992 ccw(c7.124,55.5) 6.612,54.988 U40.P2@6.8,54.8 ; v1(18.8,34.6) v1@18.804,34.604
  Top Layer w0.13: v1@18.804,34.604 19.596,34.604 U20.AB1@19.6,34.6 v1@19,34.6
  Int1 (Sign) w0.12: 5.062,46.737 v1(5.5,46.3) cw(c5.5,45.836) 5.828,46.164 6.181,45.811 ; 5.062,46.738 cw(c5.771,47.446) 4.769,47.446 4.769,47.674 4.774,48 4.774,48.495 cw(c5.205,48.495) 4.774,48.503 4.775,48.507 4.775,48.511 cw(c4.894,48.493) 4.775,48.513 cw(c5.999,48.3) 4.794,48.601 cw(c5.999,48.3) 4.819,48.688 4.824,48.697 cw(c5.205,48.495) 4.9,48.8 5.8,49.7 ccw(c4.537,50.963) 6.323,50.963 6.323,51.6 ccw(c5.654,51.6) 6.127,52.073 ; 6,52.2 6.099,52.101 ; 6.127,52.073 6.099,52.101 ; 6.181,45.811 cw(c5.87,45.5) 6.31,45.5 6.31,45.2 cw(c5.562,45.2) 6.091,44.671 ccw(c6.431,44.331) 5.95,44.331 5.95,41.888 cw(c5.832,41.888) 5.915,41.805 ccw(c6.122,41.598) 5.865,41.736 ccw(c6.122,41.598) 5.83,41.598 5.83,41.2 ccw(c6.144,41.2) 5.922,40.978 cw(c5.347,40.403) 6.16,40.403 6.16,37.538 ccw(c6.638,37.538) 6.3,37.2 6.96,36.54 6.982,36.54 7.364,36.158 ccw(c8.7,37.495) 8.7,35.605 17.3,35.605 cw(c17.3,34.41) 18.145,35.255 v1(18.8,34.6) ; v1(6.2,57) ccw(c7.649,55.551) 5.6,55.551 5.6,53.307 ccw(c7.307,53.307) 6.099,52.101
  Bottom Layer w0.12: v1(6.2,57) 6.2,56.366 ccw(c7.566,56.366) R171.1@6.6,55.4
DDR3_A6: R172.1 U20.AA5 U40.R8 U41.R8 | length 44.2
  Top Layer w0.12: v1(4.3,40.5) 4.3,40.141 ccw(c4.641,40.141) 4.4,39.9 ccw(c5.124,40.624) 5.002,39.607 ccw(c5.124,40.624) 5.124,39.6 5.4,39.6 cw(c5.4,39.117) 5.741,39.459 U41.R8@6,39.2 ; v1@4.5,51.4 v1(4.5,51.3) 4.5,50.841 ccw(c4.841,50.841) 4.6,50.6 ccw(c5.083,51.083) 4.946,50.414 ccw(c5.083,51.083) 5.083,50.4 5.395,50.4 ; 5.39,50.4 cw(c5.39,49.894) 5.395,50.4 ; U40.R8@5.991,49.991 U40.R8@6.003,49.979 ; U40.R8@6,50 5.748,50.252 ccw(c5.39,49.894) 5.395,50.4
  Top Layer w0.125: U20.AA5@23.6,35.6 v3(24.1,35.1)
  Int1 (Sign) w0.12: v1(4.5,51.3) 4.034,50.834 ccw(c4.768,50.1) 3.734,50.191 ccw(c4.768,50.1) 3.73,50.1 3.73,45.7 ccw(c5.224,45.7) 4.168,44.643 4.711,44.1 cw(c4.211,43.6) 4.918,43.6 4.918,42.239 4.589,41.911 ; 4.589,41.91 ccw(c5.143,41.357) 4.36,41.357 4.36,40.56 v1(4.3,40.5) 4.112,40.312 ccw(c4.624,39.8) 3.941,40.041 ccw(c4.624,39.8) 3.9,39.8 3.9,37.86 ccw(c5.21,37.86) 4.284,36.934 5.422,35.795 ccw(c7.1,37.473) 5.567,35.661 ccw(c7.1,37.473) 7.1,35.1 16.5,35.1 cw(c16.5,33.651) 17.524,34.676 18.009,34.191 ccw(c18.7,34.883) 18.467,33.933 ccw(c18.7,34.883) 18.7,33.905 22.629,33.905 ccw(c22.629,34.571) 23.1,34.1 v3(24.1,35.1)
  Bottom Layer w0.12: R172.1@3.3,50.4 3.3,50.617 cw(c3.983,50.617) 3.5,51.1 cw(c3.983,50.617) 3.983,51.3 v1(4.5,51.3)
DDR3_A7: R173.1 U20.AA1 U40.R2 U41.R2 | length 43
  Top Layer w0.12: v1@4.2,43.6 5.1,43.6 ccw(c5.1,44.807) 5.133,43.6 cw(c5.136,43.48) 5.142,43.6 ccw(c5.158,43.958) 5.158,43.6 5.559,43.6 ccw(c5.559,43.941) 5.8,43.7 5.929,43.829 ccw(c5.759,44) U41.R2@6,44 U41.R2@5.954,43.954 ; v1(4.3,56.3) ccw(c5.507,56.3) 4.653,55.447 4.718,55.382 ccw(c5.158,55.823) 5.158,55.2 5.242,55.2 ccw(c5.242,55.558) 5.261,55.2 cw(c5.267,55.081) 5.272,55.201 ccw(c5.3,55.901) 5.3,55.2 5.4,55.2 cw(c5.4,54.717) 5.741,55.059 U40.R2@6,54.8
  Top Layer w0.125: v1(6.8,36.1) v1@6.9,36 ; v1@6.901,35.999 ccw(c7.866,36.966) 7.866,35.6 17.94,35.6 U20.AA1@19.6,35.6
  Int4(Sign) w0.13: 3.899,52.499 ccw(c4.401,51.999) 3.692,51.999 3.692,45 ccw(c5.364,45) 3.705,44.795 ccw(c5.364,45) 4.182,43.818 v1(4.4,43.6) 4.728,43.272 cw(c4.255,42.8) 4.923,42.8 4.923,42.4 cw(c4.255,42.4) 4.889,42.189 cw(c4.255,42.4) 4.728,41.928 4.106,41.306 ccw(c4.712,40.7) 3.855,40.7 3.855,38.216 ccw(c5.716,38.216) 4.1,37.293 ccw(c5.716,38.216) 4.399,36.901 ; 3.9,52.5 4.1,52.7 ; 4.1,52.7 ccw(c3.617,53.183) 4.3,53.183 v1(4.3,56.3) ; 4.4,36.9 4.5,36.8 ccw(c6.19,38.49) 6.19,36.1 v1(6.8,36.1)
  Bottom Layer w0.12: v1(4.3,56.3) 4.51,56.3 cw(c4.51,54.634) 5.688,55.812 cw(c5.176,55.3) 5.867,55.517 cw(c5.176,55.3) R173.1@5.9,55.3 R173.1@5.9,55.1
DDR3_A8: R177.1 U20.AB3 U40.T8 U41.T8 | length 34.1
  Top Layer w0.12: 4.397,38.902 ccw(c4.971,38.329) 4.16,38.329 4.16,37.9 ccw(c5.073,37.9) 4.427,37.255 ; 4.397,38.903 v1(4.595,39.1) ; 4.427,37.254 6.091,35.591 6.141,35.541 ccw(c7.32,36.72) 7.32,35.053 16.366,35.053 cw(c16.366,33.166) 17.7,34.5 ccw(c18.642,35.442) 18.642,34.11 20.8,34.11 ccw(c20.8,34.858) 21.329,34.329 U20.AB3@21.6,34.6 ; v1@4.7,39.2 U41.T8@5.2,39.2
  Top Layer w0.13: v1(4.7,50) 5.13,50 5.165,49.965 U40.T8@5.2,50
  Int1 (Sign) w0.13: v1(4.595,39.1) 4.755,39.26 ccw(c4.114,39.9) 5.02,39.9 5.02,40.791 5.245,41.016 5.245,41.714 cw(c5.561,41.714) 5.337,41.937 ccw(c5.118,42.157) 5.428,42.157 5.428,43.875 ccw(c4.875,43.875) 5.266,44.266 4.616,44.916 cw(c5.523,45.823) 4.615,44.918 cw(c5.523,45.823) 4.241,45.787 ccw(c4.111,45.784) 4.241,45.79 4.24,45.8 4.24,48.889 cw(c5.811,48.889) 4.245,49.013 cw(c5.811,48.889) v1(4.7,50)
  Bottom Layer w0.13: R177.1@4,50.4 cw(c4,49.676) 4.512,50.188 v1(4.7,50)
DDR3_A9: R178.1 U20.AB5 U40.R3 U41.R3 | length 46.8
  Top Layer w0.12: v1(3.73,54.895) 3.889,54.736 ccw(c4.7,55.547) 4.7,54.4 5.034,54.4 cw(c5.034,53.034) 5.107,54.398 ccw(c5.113,54.518) 5.124,54.398 cw(c5.158,54.042) 5.136,54.399 cw(c5.158,54.042) 5.141,54.4 ; 5.142,54.4 cw(c5.158,54.042) 5.158,54.4 5.559,54.4 cw(c5.559,54.059) 5.8,54.3 5.929,54.171 cw(c5.758,54) U40.R3@6,54 ; 5.747,42.947 cw(c4.478,44.217) 5.357,42.652 cw(c4.478,44.217) v1(4.478,42.422) ccw(c5.971,40.929) 3.86,40.929 3.86,38 ccw(c5.144,38) 4.235,37.093 5.978,35.35 5.98,35.349 5.993,35.335 ccw(c7.32,36.72) 7.32,34.803 16.1,34.803 cw(c16.1,32.877) 16.719,34.7 cw(c16.066,32.666) 17.576,34.178 ccw(c18.342,34.942) 17.627,34.13 17.629,34.128 ccw(c18.342,34.942) 18.342,33.86 22.379,33.86 ccw(c22.379,35.021) 23.2,34.2 U20.AB5@23.6,34.6 ; 5.747,42.947 U41.R3@6,43.2
  Int1 (Sign) w0.12: 3.4,44.6 cw(c2.917,44.117) 3.6,44.117 3.6,43.017 ccw(c4.312,43.017) 3.724,42.616 ccw(c4.193,43.086) 4.193,42.422 v1(4.478,42.422) ; 3.402,44.602 cw(c3.842,45.041) 3.22,45.041 3.22,53.664 cw(c4.961,53.664) 3.353,54.33 cw(c4.961,53.664) v1@3.729,54.894
  Bottom Layer w0.12: v1(3.73,54.895) 3.73,55.331 cw(c3.969,55.331) 3.8,55.5 3.854,55.554 cw(c4.4,55.007) 4.233,55.762 cw(c4.4,55.007) 4.344,55.778 ccw(c4.335,55.898) 4.347,55.778 cw(c4.38,55.47) 4.38,55.78 4.62,55.78 cw(c4.62,55.47) 4.648,55.779 ccw(c4.658,55.898) 4.658,55.778 4.883,55.778 cw(c4.883,55.349) 5.187,55.653 cw(c4.943,55.571) 5.2,55.571 R178.1@5.2,55.3 ; R178.1@5.2,55.1 R178.1@5.2,55.3